# Altium PCB 2440PCBV8.PcbDoc (part 1 of 4) (continued)
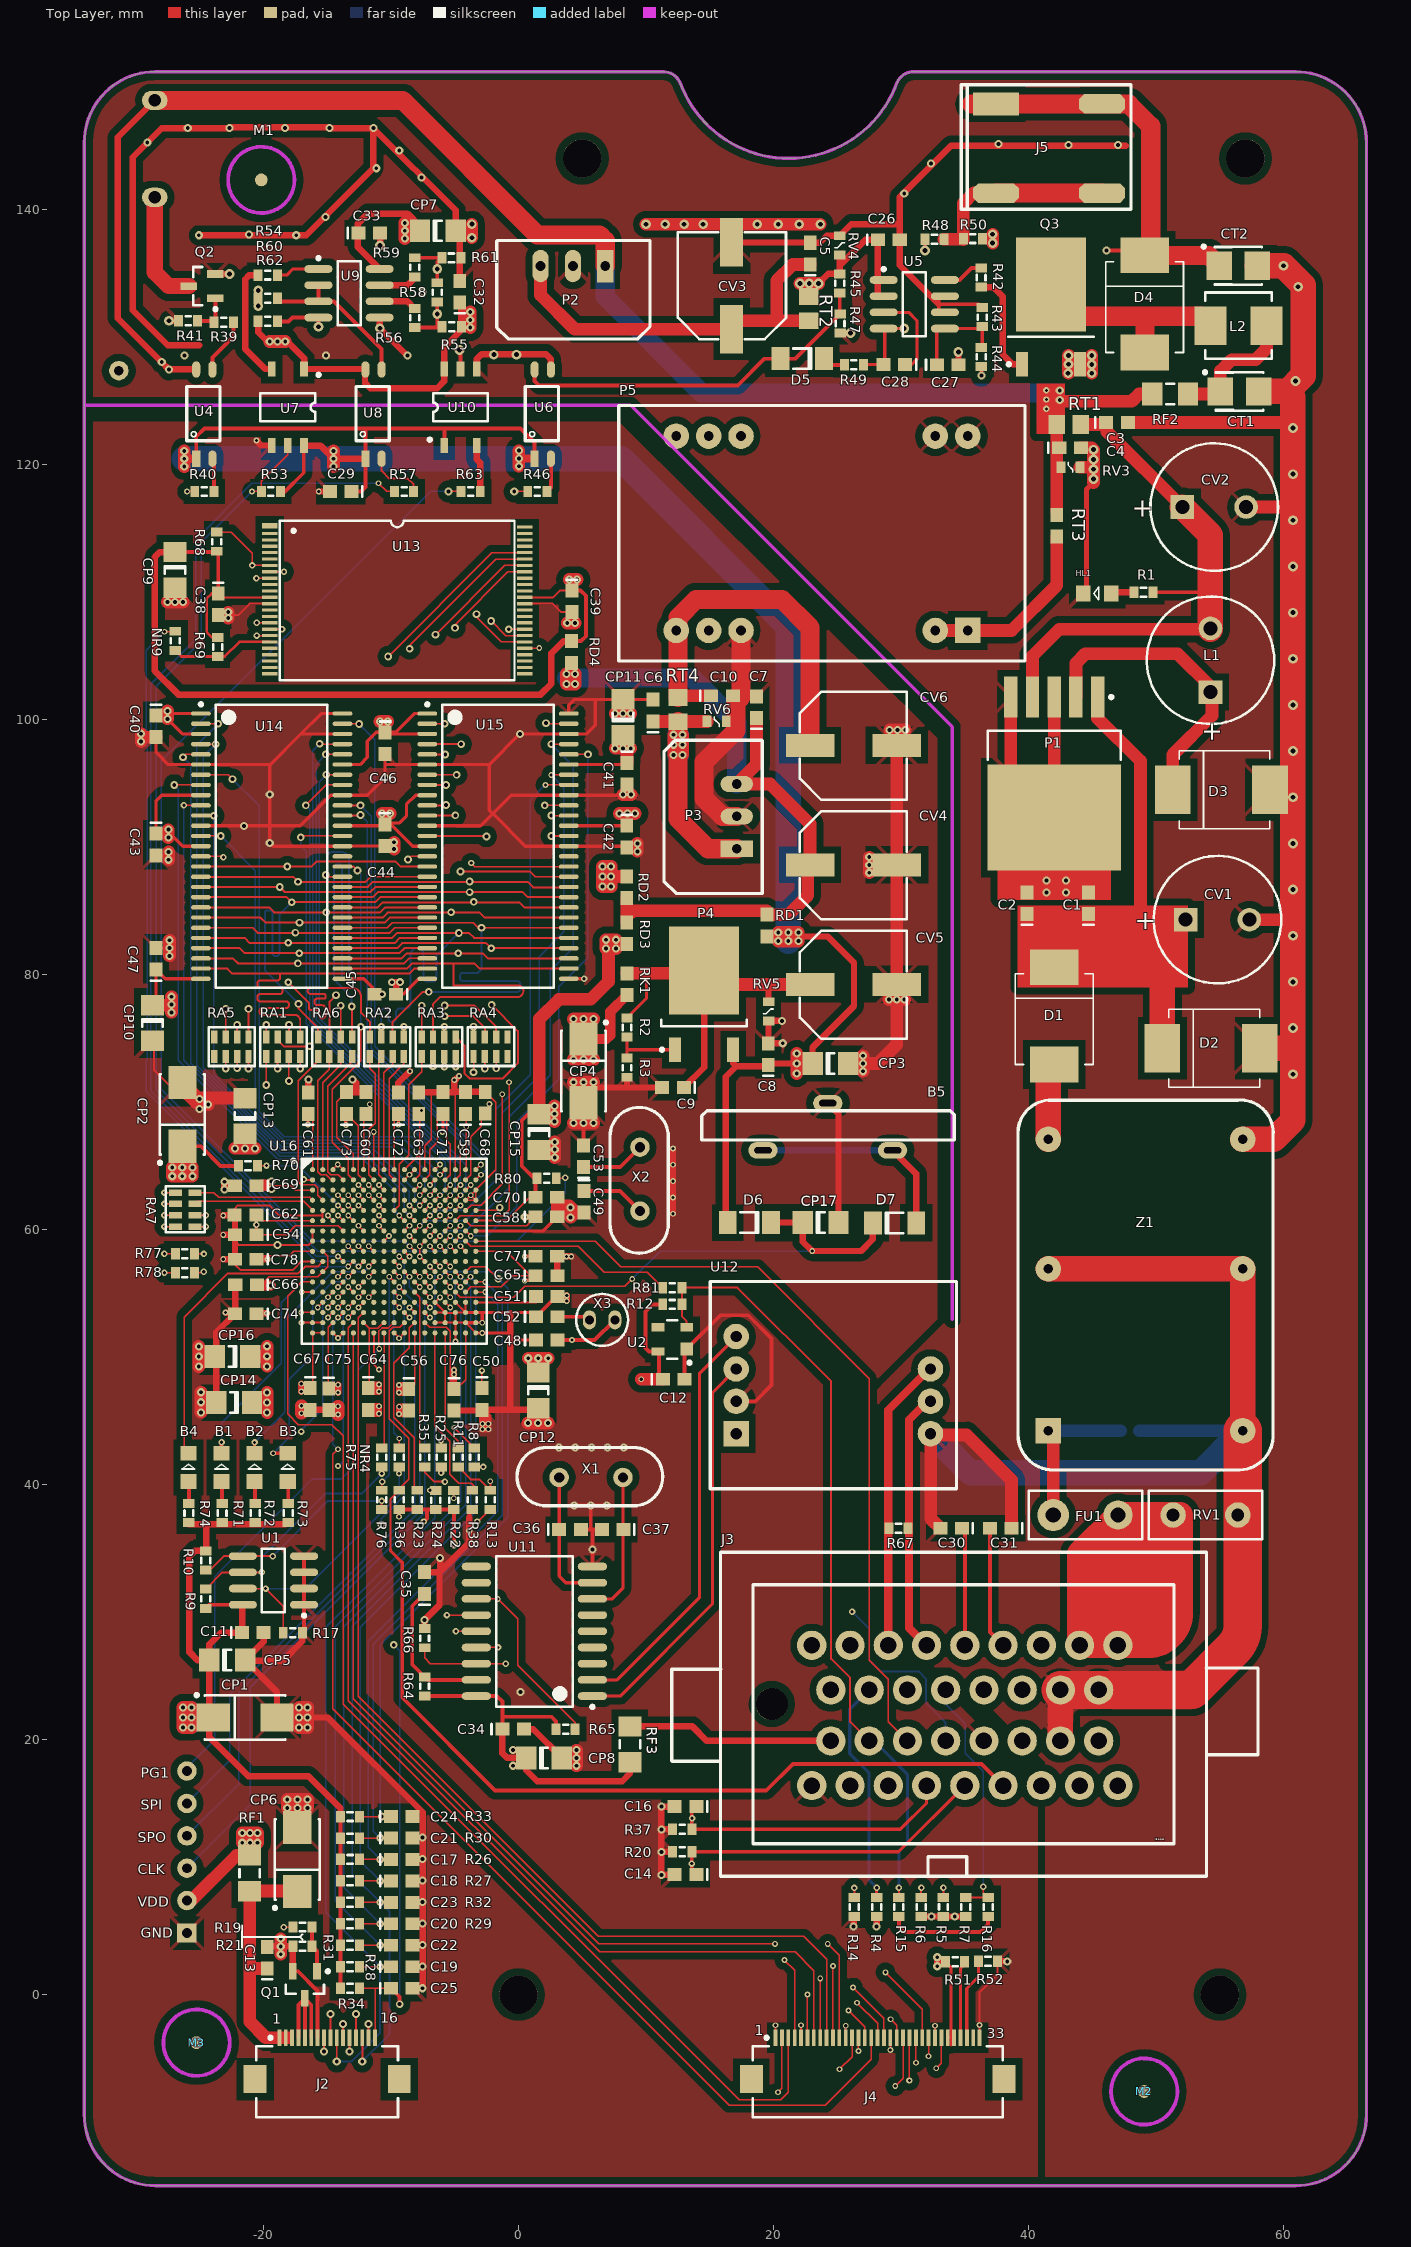
[diagram p0: Top Layer view]
## Components (designator, comment, footprint, x,y, rotation, side; value= is the part's Value field where it differs from the comment) (continued)
CP9 "10uF/16V" 3216[1206] -26.949,111.735 r270 top
CP10 "10uF/16V" 3216[1206] -28.702,76.2 r270 top
CP11 "10uF/16V" 3216[1206] 8.204,100.178 r90 top
CP12 "10uF/16V" 3216[1206] 1.549,47.396 r270 top
CP13 "10uF/16V" 3216[1206] -21.436,68.91 r90 top
CP14 "10uF/16V" 3216[1206] -22.301,46.431 r180 top
CP15 "10uF/16V" 3216[1206] 1.626,67.64 r270 top
CP16 "10uF/16V" 3216[1206] -22.428,50.038 r180 top
CP17 "10uF/16V" 3216[1206] 23.698,60.554 r0 top
CT1 "2.2uF/50V" 3528 56.54,125.73 r0 top
CT2 "2.2uF/50V" 3528 56.439,135.585 r0 top
CV1 "220uF/50V" CAPPR5-10x20/H1.1 54.813,84.303 r0 top
CV2 "470uF/35V" CAPPR5-10x20/H1.1 54.559,116.662 r0 top
CV3 "220uF/16V" CAP8484X100M 16.713,134.01 r90 top
CV4 "220uF/16V" CAP8484X100M 26.264,88.595 r0 top
CV5 "220uF/16V" CAP8484X100M 26.264,79.223 r0 top
CV6 "220uF/16V" CAP8484X100M 26.264,97.968 r0 top
D1 "SK56" DIODE_SMC 42.012,76.759 r270 top
D2 "SMCJC33A" DIODE_SMC 54.305,74.219 r0 top
D3 "SK56" DIODE_SMC 55.118,94.488 r0 top
D4 "SK56" DIODE_SMC 49.098,132.588 r270 top
D5 "IN4148" SOD-80/MLL34 22.25,128.295 r0 top
D6 "IN4148" SOD-80/MLL34 18.11,60.554 r0 top
D7 "IN4148" SOD-80/MLL34 29.489,60.528 r180 top
FU1 "T60-110" FUSE-5x1.2 44.475,37.617 r180 top
HL1 "RED" LED0805 45.381,109.887 r180 top
J2 "FFC16" FFC/SM0.5-2H16 -15,-5 r0 top locked
J3 "2-6447232-3" 2-6447232-3 47,16.4 r0 top locked
J4 "FFC33" FFC/SM0.5-2H33 28.16,-5 r0 top locked
J5 "JST" JST 41.605,144.78 r90 top
L1 "B82477P4333M000" CAPPR5-10x20/H1.1 54.264,104.648 r90 top
L2 "VLCF5028T-470MR49-2" INDP5050X28N 56.464,130.886 r180 top
M1 "MARK" Mark -20.168,142.316 r0 top
M2 "MARK" Mark 49.073,-7.589 r0 top
M3 "MARK" Mark -25.248,-3.759 r0 top
NR4 "22R" 0603R -9.361,42.139 r90 top
NR9 "22R" 0603R -26.911,106.172 r90 top
P1 "LM2596SX-12" TS5B_N 42.012,95.758 r270 top
P2 "K7805M-1000" DIP(3)W 4.267,135.56 r270 top
P3 "K7803M-1000" DIP(3)W 17.12,92.405 r180 top
P4 "LM1117IDT-ADJ" TD03B_N 14.554,78.461 r90 top
P5 "WRF1205P-6W" DIP-7(24)W 23.8,114.605 r180 top
Q1 "RJK005N03" SOT23_N -16.75,0.787 r270 top
Q2 "RJK005N03" SOT23_N -24.816,133.985 r180 top
Q3 "STU3030" TO-252AA_N 41.758,132.359 r90 top
R1 "10K" 0603R 49.01,109.982 r180 top
R2 "510R" 0603R 8.509,75.846 r270 top
R3 "22R" 0603R 8.509,72.695 r270 top
R4 "10K" 0603R 28.083,6.883 r90 top
R5 "10K" 0603R 33.328,6.883 r90 top
R6 "10K" 0603R 31.58,6.883 r90 top
R7 "10K" 0603R 35.076,6.883 r90 top
R8 "22R" 0603R -3.454,42.139 r270 top
R9 "1K" 0603R -24.538,31.052 r90 top
R10 "1K" 0603R -24.538,34.049 r270 top
R11 "22R" 0603R -4.724,42.139 r270 top
R12 "10K" 0603R 12.065,54.127 r0 top
R13 "1.5K" 0603R -2.21,38.811 r270 top
R14 "300K" 0603R 26.335,6.883 r270 top
R15 "0R" 0603R 29.832,6.883 r270 top
R16 "510R" 0603R 36.824,6.883 r270 top
R17 "10K" 0603R -17.7,28.399 r180 top
R19 "22R" 0603R -16.942,5.309 r180 top
R20 "15K" 0603R 12.841,11.201 r180 top
R21 "10K" 0603R -16.942,3.81 r180 top
R22 "10K" 0603R -5.072,38.786 r90 top
R23 "10K" 0603R -7.933,38.811 r90 top
R24 "10K" 0603R -6.502,38.786 r90 top
R25 "22R" 0603R -6.071,42.139 r270 top
R26 "10K" 0603R -13.208,10.604 r0 top
R27 "10K" 0603R -13.208,8.922 r0 top
R28 "10K" 0603R -13.208,2.191 r0 top
R29 "10K" 0603R -13.208,5.556 r0 top
R30 "10K" 0603R -13.208,12.287 r0 top
R31 "10K" 0603R -13.208,3.873 r0 top
R32 "10K" 0603R -13.208,7.239 r0 top
R33 "10K" 0603R -13.208,13.97 r0 top
R34 "10K" 0603R -13.208,0.508 r0 top
R35 "22R" 0603R -7.348,42.139 r270 top
R36 "10K" 0603R -9.364,38.811 r90 top
R37 "15K" 0603R 12.841,12.984 r180 top
R38 "10K" 0603R -3.641,38.811 r270 top
R39 "22R" 0603R -23.114,131.166 r0 top
R40 "510R" 0603R -24.637,117.881 r180 top
R41 "10K" 0603R -25.908,131.272 r180 top
R42 "22R" 0603R 36.271,134.657 r90 top
R43 "15K" 0603R 36.373,131.559 r270 top
R44 "300K" 0603R 36.297,128.434 r90 top
R45 "1.5K" 0603R 25.191,134.203 r270 top
R46 "510R" 0603R 1.474,117.881 r180 top
R47 "10K" 0603R 25.217,131.052 r90 top
R48 "20K" 0603R 32.626,137.668 r180 top
R49 "300K" 0603R 26.302,127.813 r180 top
R50 "2R" 0603R 35.636,137.719 r0 top
R51 "0R" 0603R 34.239,2.591 r0 top
R52 "0R" 0603R 36.824,2.616 r0 top
R53 "510R" 0603R -19.415,117.881 r180 top
R54 "1K" 0603R -19.663,134.854 r180 top
R55 "1K" 0603R -5.232,130.81 r0 top
R56 "22R" 0603R -8.125,131.498 r90 top
R57 "510R" 0603R -8.97,117.881 r180 top
R58 "120R" 0603R -6.375,133.502 r90 top
R59 "22R" 0603R -8.125,135.461 r270 top
R60 "10K" 0603R -19.663,133.038 r180 top
R61 "1K" 0603R -5.258,136.195 r0 top
R62 "1K" 0603R -19.663,131.222 r0 top
R63 "510R" 0603R -3.748,117.881 r180 top
R64 "10K" 0603R -7.366,24.181 r90 top
R65 "10K" 0603R 3.697,20.83 r0 top
R66 "10K" 0603R -7.366,27.957 r90 top
R67 "120R" 0603R 29.794,36.578 r0 top
R68 "10K" 0603R -23.673,113.944 r90 top
R69 "10K" 0603R -23.597,105.689 r270 top
R70 "10K" 0603R -21.209,64.999 r0 top
R71 "1K" 0603R -23.246,37.77 r90 top
R72 "1K" 0603R -20.653,37.77 r270 top
R73 "1K" 0603R -18.059,37.77 r270 top
R74 "1K" 0603R -25.84,37.77 r270 top
R75 "22R" 0603R -10.719,42.139 r90 top
R76 "22R" 0603R -10.731,38.811 r90 top
R77 "22R" 0603R -26.162,58.11 r0 top
R78 "22R" 0603R -26.162,56.624 r0 top
R80 "1K" 0603R 2.21,64.033 r0 top
R81 "22R" 0603R 12.065,55.448 r180 top
RA1 "22R" R-AR4 -18.447,74.352 r180 top
RA2 "22R" R-AR4 -10.319,74.352 r180 top
RA3 "22R" R-AR4 -6.255,74.352 r180 top
RA4 "22R" R-AR4 -2.191,74.352 r180 top
RA5 "22R" R-AR4 -22.511,74.352 r180 top
RA6 "22R" R-AR4 -14.383,74.352 r180 top
RA7 "22R" R-AR4 -26.137,61.57 r270 top
RD1 "0R" 0603RT 19.482,83.845 r270 top
RD2 "0R" 0603RT 8.49,86.843 r90 top
RD3 "0R" 0603RT 8.49,83.248 r270 top
RD4 "0R" 0603RT 4.166,105.295 r90 top
RF1 "NanoSMDC020F" 1206F -21.077,9.525 r90 top
RF2 "NanoSMDC035F" 1206F 51.105,125.527 r0 top
RF3 "NanoSMDC035F" 1206F 8.738,19.634 r270 top
RK1 "0R" 0603RT 8.507,79.248 r270 top
RT1 "0R" 2012[0805] 43.156,123.139 r180 top
RT2 "0R" 2012[0805] 22.76,132.222 r90 top
RT3 "0R" 0603RT 42.206,115.185 r270 top
RT4 "0R" 2012[0805] 12.522,100.778 r270 top
RV1 "MYG-07D390K" VR-5x1.0 53.873,37.617 r180 top
RV2 "39V(35 to 43)" 0603RV 47.955,44.221 r180 bottom
RV3 "22V(19.8 to 24.2)" 0603RV 43.282,119.786 r180 top
RV4 "8(6.4 to 9.6)" 0603RV 25.193,137.187 r270 top
RV5 "8(6.4 to 9.6)" 0603RV 19.609,77.114 r90 top
RV6 "8(6.4 to 9.6)" 0603RV 15.545,99.847 r180 top
U1 "24C64CT/SN" SOIC-SN8_N -19.218,32.487 r180 top
U2 "MAX811-EUS-T" SOT143_N 12.065,51.384 r180 top
U3 "SPEAKER" SPEAKER -28.524,144.755 r270 bottom locked
U4 "TLP281" SSOP4_N -24.638,123.952 r90 top
U5 "BIT3251" SOIC-SN8_N 31.039,132.563 r0 top
U6 "TLP281" SSOP4_N 1.905,123.952 r90 top
U7 "HCPL-M601" SOP5(6) -18.085,124.487 r180 top
U8 "TLP281" SSOP4_N -11.367,123.952 r90 top
U9 "MAX485" NSO8_N -13.284,133.426 r0 top
U10 "HCPL-M601" SOP5(6) -4.547,124.487 r0 top
U11 "MCP2515-I/SO" SOIC-SO18_N 1.245,28.499 r180 top
U12 "CTM1050T" DIP-7(8)W 24.689,47.803 r0 top
U13 "HY27UF082G2B" TSOP48 -9.513,109.335 r0 top
U14 "K4S561632C-TC75 (32MB)" TSOP80P1180X120-54N -19.355,90.068 r0 top
U15 "K4S561632C-TC75 (32MB)" TSOP80P1180X120-54N -1.6,90.068 r0 top
U16 "S3C2440X" BGA289 -9.748,58.299 r0 top
X1 "16M" OSC2PR-1 5.69,40.564 r180 top
X2 "12M" OSC2PR-1 9.525,63.957 r270 top
X3 "32.768kHz" XTAL-B 6.579,52.908 r0 top
Z1 "CXDC2-3-100" DIP-6(20)W 49.174,55.651 r0 top

## Footprints (in the part's own frame and the unit in brackets; to place one, negate y for a bottom-side part, rotate by r counter-clockwise, add the part's x,y. Pads: shape width x height; smd on the part's side, far side on the other; paste and mask are expansions set on the pad)
2-6447232-3 [mm]
  round 2.3 hole 1.3: 1(0,0) 2(-3,0) 3(-6,0) 4(-9,0) 5(-12,0) 6(-15,0) 7(-18,0) 8(-21,0) 9(-24,0) 10(-1.5,3.5) 11(-4.5,3.5) 12(-7.5,3.5) 13(-10.5,3.5) 14(-13.5,3.5) 15(-16.5,3.5) 16(-19.5,3.5) 17(-22.5,3.5) 18(-1.5,7.5) 19(-4.5,7.5) 20(-7.5,7.5) 21(-10.5,7.5) 22(-13.5,7.5) 23(-16.5,7.5) 24(-19.5,7.5) 25(-22.5,7.5) 26(0,11) 27(-3,11) 28(-6,11) 29(-9,11) 30(-12,11) 31(-15,11) 32(-18,11) 33(-21,11) 34(-24,11)
  round 2.5 hole 2.5 unplated: ""(-27.135,6.393)
  silkscreen extent -34.98,-7.11 11,18.29, body extent -34.97,-7.14 10.99,18.36, height 25
0603R [mm]
  rect 0.7x0.9 smd: 1(-0.75,0) 2(0.75,0)
  silkscreen extent -0.2,-0.35 0.2,0.35, body extent -0.77,-0.42 0.78,0.43, height 0.45
0603RT [mm]
  rect 1.1x1 smd: 1(-0.85,0) 2(0.85,0)
  body extent -1.3,-0.5 1.3,0.5, height 0.53
0603RV [mm]
  rect 0.7x0.9 smd: 1(-0.75,0) 2(0.75,0)
  silkscreen extent -0.19,-0.37 0.18,0.4, body extent -0.77,-0.42 0.78,0.43, height 0.45
1206F [mm]
  rect 1.6x1.8 smd: 1(-1.4,0) 2(1.4,0)
  silkscreen extent -0.3,-0.8 0.3,0.8, body extent -2.12,-0.9 2.08,0.9, height 0.63
1608[0603] [mm]
  rect 1.1x1 smd: 1(-0.85,0) 2(0.85,0)
  silkscreen extent -1.7,-0.4 -1.7,0.4, body extent -1.3,-0.5 1.3,0.5, height 0.89
2012[0805] [mm]
  rect 1.3x1.5 smd: 1(-0.95,0) 2(0.95,0)
  body extent -1.51,-0.7 1.49,0.7, height 0.53
3216[1206] [mm]
  rect 1.6x1.8 smd: 1(-1.4,0) 2(1.4,0)
  silkscreen extent -0.3,-0.8 0.3,0.8, body extent -2.1,-0.9 2.1,0.9, height 0.95
3528 [mm]
  rect 2x2.2 smd: 1(-1.5,0) 2(1.5,0)
  silkscreen extent -2.82,-1.5 1.85,1.62, body extent -1.79,-1.31 1.9,1.51, height 2.74
6032 [mm]
  rect 2.6x2.2 smd: 1(-2.5,0) 2(2.5,0)
  silkscreen extent -3.92,-1.75 3.15,1.87, body extent -3.13,-1.56 3.05,1.65, height 2.22
BGA289 [mm]
  round 0.4 smd: A1(-6.4,6.4) A2(-5.6,6.4) A3(-4.8,6.4) A4(-4,6.4) A5(-3.2,6.4) A6(-2.4,6.4) A7(-1.6,6.4) A8(-0.8,6.4) A9(0,6.4) A10(0.8,6.4) A11(1.6,6.4) A12(2.4,6.4) A13(3.2,6.4) A14(4,6.4) A15(4.8,6.4) A16(5.6,6.4) A17(6.4,6.4) B1(-6.4,5.6) B2(-5.6,5.6) B3(-4.8,5.6) B4(-4,5.6) B5(-3.2,5.6) B6(-2.4,5.6) B7(-1.6,5.6) B8(-0.8,5.6) B9(0,5.6) B10(0.8,5.6) B11(1.6,5.6) B12(2.4,5.6) B13(3.2,5.6) B14(4,5.6) B15(4.8,5.6) B16(5.6,5.6) B17(6.4,5.6) C1(-6.4,4.8) C2(-5.6,4.8) C3(-4.8,4.8) C4(-4,4.8) C5(-3.2,4.8) C6(-2.4,4.8) C7(-1.6,4.8) C8(-0.8,4.8) C9(0,4.8) C10(0.8,4.8) C11(1.6,4.8) C12(2.4,4.8) C13(3.2,4.8) C14(4,4.8) C15(4.8,4.8) C16(5.6,4.8) C17(6.4,4.8) D1(-6.4,4) D2(-5.6,4) D3(-4.8,4) D4(-4,4) D5(-3.2,4) D6(-2.4,4) D7(-1.6,4) D8(-0.8,4) D9(0,4) D10(0.8,4) D11(1.6,4) D12(2.4,4) D13(3.2,4) D14(4,4) D15(4.8,4) D16(5.6,4) D17(6.4,4) E1(-6.4,3.2) E2(-5.6,3.2) E3(-4.8,3.2) E4(-4,3.2) E5(-3.2,3.2) E6(-2.4,3.2) E7(-1.6,3.2) E8(-0.8,3.2) E9(0,3.2) E10(0.8,3.2) E11(1.6,3.2) E12(2.4,3.2) E13(3.2,3.2) E14(4,3.2) E15(4.8,3.2) E16(5.6,3.2) E17(6.4,3.2) F1(-6.4,2.4) F2(-5.6,2.4) F3(-4.8,2.4) F4(-4,2.4) F5(-3.2,2.4) F6(-2.4,2.4) F7(-1.6,2.4) F8(-0.8,2.4) F9(0,2.4) F10(0.8,2.4) F11(1.6,2.4) F12(2.4,2.4) F13(3.2,2.4) F14(4,2.4) F15(4.8,2.4) F16(5.6,2.4) F17(6.4,2.4) G1(-6.4,1.6) G2(-5.6,1.6) G3(-4.8,1.6) G4(-4,1.6) G5(-3.2,1.6) G6(-2.4,1.6) G7(-1.6,1.6) G8(-0.8,1.6) G9(0,1.6) G10(0.8,1.6) G11(1.6,1.6) G12(2.4,1.6) G13(3.2,1.6) G14(4,1.6) G15(4.8,1.6) G16(5.6,1.6) G17(6.4,1.6) H1(-6.4,0.8) H2(-5.6,0.8) H3(-4.8,0.8) H4(-4,0.8) H5(-3.2,0.8) H6(-2.4,0.8) H7(-1.6,0.8) H8(-0.8,0.8) H9(0,0.8) H10(0.8,0.8) H11(1.6,0.8) H12(2.4,0.8) H13(3.2,0.8) H14(4,0.8) H15(4.8,0.8) H16(5.6,0.8) H17(6.4,0.8) J1(-6.4,0) J2(-5.6,0) J3(-4.8,0) J4(-4,0) J5(-3.2,0) J6(-2.4,0) J7(-1.6,0) J8(-0.8,0) J9(0,0) J10(0.8,0) J11(1.6,0) J12(2.4,0) J13(3.2,0) J14(4,0) J15(4.8,0) J16(5.6,0) J17(6.4,0) K1(-6.4,-0.8) K2(-5.6,-0.8) K3(-4.8,-0.8) K4(-4,-0.8) K5(-3.2,-0.8) K6(-2.4,-0.8) K7(-1.6,-0.8) K8(-0.8,-0.8) K9(0,-0.8) K10(0.8,-0.8) K11(1.6,-0.8) K12(2.4,-0.8) K13(3.2,-0.8) K14(4,-0.8) K15(4.8,-0.8) K16(5.6,-0.8) K17(6.4,-0.8) L1(-6.4,-1.6) L2(-5.6,-1.6) L3(-4.8,-1.6) L4(-4,-1.6) L5(-3.2,-1.6) L6(-2.4,-1.6) L7(-1.6,-1.6) L8(-0.8,-1.6) L9(0,-1.6) L10(0.8,-1.6) L11(1.6,-1.6) L12(2.4,-1.6) L13(3.2,-1.6) L14(4,-1.6) L15(4.8,-1.6) L16(5.6,-1.6) L17(6.4,-1.6) M1(-6.4,-2.4) M2(-5.6,-2.4) M3(-4.8,-2.4) M4(-4,-2.4) M5(-3.2,-2.4) M6(-2.4,-2.4) M7(-1.6,-2.4) M8(-0.8,-2.4) M9(0,-2.4) M10(0.8,-2.4) M11(1.6,-2.4) M12(2.4,-2.4) M13(3.2,-2.4) M14(4,-2.4) M15(4.8,-2.4) M16(5.6,-2.4) M17(6.4,-2.4) N1(-6.4,-3.2) N2(-5.6,-3.2) N3(-4.8,-3.2) N4(-4,-3.2) N5(-3.2,-3.2) N6(-2.4,-3.2) N7(-1.6,-3.2) N8(-0.8,-3.2) N9(0,-3.2) N10(0.8,-3.2) N11(1.6,-3.2) N12(2.4,-3.2) N13(3.2,-3.2) N14(4,-3.2) N15(4.8,-3.2) N16(5.6,-3.2) N17(6.4,-3.2) P1(-6.4,-4) P2(-5.6,-4) P3(-4.8,-4) P4(-4,-4) P5(-3.2,-4) P6(-2.4,-4) P7(-1.6,-4) P8(-0.8,-4) P9(0,-4) P10(0.8,-4) P11(1.6,-4) P12(2.4,-4) P13(3.2,-4) P14(4,-4) P15(4.8,-4) P16(5.6,-4) P17(6.4,-4) R1(-6.4,-4.8) R2(-5.6,-4.8) R3(-4.8,-4.8) R4(-4,-4.8) R5(-3.2,-4.8) R6(-2.4,-4.8) R7(-1.6,-4.8) R8(-0.8,-4.8) R9(0,-4.8) R10(0.8,-4.8) R11(1.6,-4.8) R12(2.4,-4.8) R13(3.2,-4.8) R14(4,-4.8) R15(4.8,-4.8) R16(5.6,-4.8) R17(6.4,-4.8) T1(-6.4,-5.6) T2(-5.6,-5.6) T3(-4.8,-5.6) T4(-4,-5.6) T5(-3.2,-5.6) T6(-2.4,-5.6) T7(-1.6,-5.6) T8(-0.8,-5.6) T9(0,-5.6) T10(0.8,-5.6) T11(1.6,-5.6) T12(2.4,-5.6) T13(3.2,-5.6) T14(4,-5.6) T15(4.8,-5.6) T16(5.6,-5.6) T17(6.4,-5.6) U1(-6.4,-6.4) U2(-5.6,-6.4) U3(-4.8,-6.4) U4(-4,-6.4) U5(-3.2,-6.4) U6(-2.4,-6.4) U7(-1.6,-6.4) U8(-0.8,-6.4) U9(0,-6.4) U10(0.8,-6.4) U11(1.6,-6.4) U12(2.4,-6.4) U13(3.2,-6.4) U14(4,-6.4) U15(4.8,-6.4) U16(5.6,-6.4) U17(6.4,-6.4)
  silkscreen extent -8.02,-7.25 7.25,7.25, body extent -7.25,-7.25 7.25,7.25, height 1.22
BR2032-1GV [mm] "CR2032-1"
  rect 1.52x1.524 smd far side: 1(0,-1.905) ""(5.08,5.588) ""(10.16,-1.905)
  oval 2.3x1.3 hole 0.5 slot 1.35 at 0 deg: 1(0,0) 2(5.08,3.7) 3(10.16,0)
  silkscreen extent -4.8,0.8 14.99,3.1, body extent -4.93,-0.1 15.09,3.71, height 21.51
CAP8484X100M [mm]
  rect 3.8x1.8 smd: 1(-3.4,0) 2(3.4,0)
  silkscreen extent -4.19,-4.26 4.19,4.22, body extent -4.55,-4.15 4.45,4.15, height 6.2
CAPPR5-10x20/H1.1 [mm] "Capacitor, Electrolytic, Radial; Body 10 x 20 mm (Dia.xH typ); P"
  rect 1.85x1.85 hole 1.1: 1(-2.5,0)
  round 1.85 hole 1.1: 2(2.5,0)
  silkscreen extent -5,-5 5,5
DIODE_SMC [mil]
  rect 110x150 smd: 1(150,0) 2(-150,0)
  silkscreen extent -130,-120 150,120, body extent -152,-124 168,124, height 50
DIP(3)W [mil]
  rect 100x50 hole 30: 1(0,100)
  oval 100x50 hole 30: 2(0,0) 3(0,-100)
  silkscreen extent -79,-235 225,238, body extent -80,-234 226,238, height 394
DIP-6(20)W [mm]
  rect 2x2 hole 0.762: 1(-7.62,-11.43)
  round 2 hole 0.762: 2(-7.62,1.27) 3(-7.62,11.43) 4(7.62,-11.43) 5(7.62,1.27) 6(7.62,11.43)
  silkscreen extent -10.01,-14.5 10.01,14.51, body extent -10,-14.54 10.12,14.48, height 10
DIP-7(8)W [mm]
  rect 2x2 hole 0.889: 1(-7.62,-3.81)
  round 2 hole 0.889: 2(-7.62,-1.27) 3(-7.62,1.27) 4(-7.62,3.81) 6(7.62,1.27) 7(7.62,-1.27) 8(7.62,-3.81)
  silkscreen extent -9.65,-8.13 9.65,8.13, body extent -9.64,-8.12 9.64,8.15, height 7
DIP-7(24)W [mm]
  round 2 hole 0.762: 2(-11.43,-7.62) 3(-8.89,-7.62) 11(11.43,-7.62) 14(11.43,7.62) 16(6.35,7.62) 16(6.35,-7.62) 16(8.89,7.62) 16(8.89,-7.62) 22(-8.89,7.62)
  rect 2x2 hole 0.762: 23(-11.43,7.62)
  silkscreen extent -15.93,-10.02 15.93,10.02, body extent -15.97,-10.03 15.94,10.05, height 10
FFC/SM0.5-2H16 [mm]
  rect 0.3x1.3 smd: 1(-3.75,1.625) 2(-3.25,1.625) 3(-2.75,1.625) 4(-2.25,1.625) 5(-1.75,1.625) 6(-1.25,1.625) 7(-0.75,1.625) 8(-0.25,1.625) 9(0.25,1.625) 10(0.75,1.625) 11(1.25,1.625) 12(1.75,1.625) 13(2.25,1.625) 14(2.75,1.625) 15(3.25,1.625) 16(3.75,1.625)
  rect 1.8x2.2 smd: 17(-5.65,-1.625) 18(5.65,-1.625)
  silkscreen extent -5.55,-4.62 5.55,1.75, body extent -5.55,-4.62 5.55,0.97, height 2
FFC/SM0.5-2H33 [mm]
  rect 0.3x1.3 smd: 1(-8,1.625) 2(-7.5,1.625) 3(-7,1.625) 4(-6.5,1.625) 5(-6,1.625) 6(-5.5,1.625) 7(-5,1.625) 8(-4.5,1.625) 9(-4,1.625) 10(-3.5,1.625) 11(-3,1.625) 12(-2.5,1.625) 13(-2,1.625) 14(-1.5,1.625) 15(-1,1.625) 16(-0.5,1.625) 17(0,1.625) 18(0.5,1.625) 19(1,1.625) 20(1.5,1.625) 21(2,1.625) 22(2.5,1.625) 23(3,1.625) 24(3.5,1.625) 25(4,1.625) 26(4.5,1.625) 27(5,1.625) 28(5.5,1.625) 29(6,1.625) 30(6.5,1.625) 31(7,1.625) 32(7.5,1.625) 33(8,1.625)
  rect 1.8x2.2 smd: 34(-9.9,-1.625) 35(9.9,-1.625)
  silkscreen extent -9.8,-4.63 9.8,1.75, body extent -9.8,-4.62 9.8,0.97, height 2
FUSE-5x1.2 [mm]
  round 2.3 hole 1.2: 1(-2.54,0)
  round 2.5 hole 1.2: 2(2.54,0)
  silkscreen extent -4.44,-1.91 4.44,1.91
INDP5050X28N [mm]
  rect 2.5x3 smd: 1(-2.2,0) 2(2.2,0)
  silkscreen extent -2.6,-2.6 2.6,2.6, body extent -1.56,-1.53 1.51,1.54, height 2
JST [mm]
  oct 1.524x3.6 smd: 1(3.5,-4.161) 2(-3.5,-4.161) 2(-3.5,4.161)
  rect 1.8x3.6 smd: 1(3.5,4.161)
  silkscreen extent -4.77,-6.43 5,6.89, body extent -4.84,-6.41 4.99,6.95, height 1.27
LED0805 [mm]
  rect 1.143x1.27 smd: 1(-1.105,0) 2(1.105,0)
  silkscreen extent -0.13,-0.51 0.25,0.51, body extent -1.03,-0.46 1.03,0.45, height 0.85
Mark [mm]
  round 1 smd paste+0 mask+2: 1(0,0)
  Top Layer keep-out circle w0.3: c0,0 r2.6
NSO8_N [mm]
  oval 2.2x0.6 smd: 1(-2.4,1.905) 2(-2.4,0.635) 3(-2.4,-0.635) 4(-2.4,-1.905) 5(2.4,-1.905) 6(2.4,-0.635) 7(2.4,0.635) 8(2.4,1.905)
  silkscreen extent -2.52,-2.5 0.9,2.88, body extent -2,-2.5 2,2.5, height 1.75
OSC2PR-1 [mil]
  round 60 hole 32: 1(-98.5,0) 2(98.5,0)
  silkscreen extent -222,-93 228,88, body extent -220,-94 227,89, height 138
R-AR4 [mil]
  rect 19.68x40 smd: 1(-52.5,-30) 2(-17.5,-30) 3(17.5,-30) 4(52.5,-30) 5(52.5,30) 6(17.5,30) 7(-17.5,30) 8(-52.5,30)
  silkscreen extent -73,-60 71,60, body extent -63,-33 63,30, height 22
SOD-80/MLL34 [mm]
  rect 1.4x1.8 smd: 1(-1.7,0) 2(1.7,0)
  silkscreen extent -0.7,-0.8 0.7,0.8, body extent -1.66,-0.77 1.69,0.77, height 0.77
SOIC-SN8_N [mm]
  oval 2.2x0.6 smd: 1(-2.4,1.905) 2(-2.4,0.635) 3(-2.4,-0.635) 4(-2.4,-1.905) 5(2.4,-1.905) 6(2.4,-0.635) 7(2.4,0.635) 8(2.4,1.905)
  silkscreen extent -2.53,-2.5 0.9,2.88, body extent -3,-2.45 3,2.45, height 1.7
SOIC-SO18_N [mm]
  oval 2.3x0.6 smd: 1(-4.55,5.08) 2(-4.55,3.81) 3(-4.55,2.54) 4(-4.55,1.27) 5(-4.55,0) 6(-4.55,-1.27) 7(-4.55,-2.54) 8(-4.55,-3.81) 9(-4.55,-5.08) 10(4.55,-5.08) 11(4.55,-3.81) 12(4.55,-2.54) 13(4.55,-1.27) 14(4.55,0) 15(4.55,1.27) 16(4.55,2.54) 17(4.55,3.81) 18(4.55,5.08)
  silkscreen extent -4.67,-5.9 3,6.05, body extent -3.8,-5.95 3.8,5.95, height 2.65
SOP5(6) [mm]
  rect 0.6x1.2 smd: 1(-1.27,-3) 3(1.27,-3) 4(1.27,3) 5(0,3) 6(-1.27,3)
  silkscreen extent -2.54,-2.66 2.15,1.1
SOT23_N [mm] "SOT23, 3-Leads, Body 2.9x1.3mm, Pitch 0.95mm, Lead Span 2.3mm, IPC Medium Density"
  rect 1.3x0.6 smd: 1(-1.05,0.95) 2(-1.05,-0.95) 3(1.05,0)
  silkscreen extent -1.17,-1.5 0.7,1.93, body extent -0.7,-1.5 0.7,1.5, height 1.1
SOT143_N [mm]
  rect 1x1.05 smd: 1(-1.125,0.75)
  rect 1x0.65 smd: 2(-1.125,-0.95) 3(1.125,-0.95) 4(1.125,0.95)
  silkscreen extent -1.48,-1.5 0.4,1.95, body extent -0.7,-1.52 0.7,1.52, height 1.2
SPEAKER [mm]
  oval 1.5x2 hole 1: 1(-3.8,0) 2(3.8,0)
  silkscreen extent -6,-6 6,6
SSOP4_N [mm]
  rect 1.27x0.635 smd: 1(-3.5,0.635)
  oval 1.27x0.635 smd: 2(-3.5,-0.635) 3(3.5,-0.635) 4(3.5,0.635)
  silkscreen extent -2.08,-1.22 2.16,1.38, body extent -3.5,-1.29 3.5,1.41, height 1
TD03B_N [mm]
  rect 1.9x0.95 smd: 1(-4.35,2.28) 3(-4.35,-2.28)
  rect 6.9x5.5 smd: 4(1.85,0)
  silkscreen extent -4.47,-3.35 -2,3.43, body extent -2.5,-3.35 3.7,3.35, height 2.38
TO-252AA_N [mm] "D-PAK, 4-Leads, Body 6.1x6.5mm, Pitch 2.28mm, Lead Span 9.9mm, IPC Medium Density"
  rect 1.9x0.95 smd: 1(-4.5,2.28) 3(-4.5,-2.28)
  rect 7.4x5.5 smd: 4(1.75,0)
  silkscreen extent -4.62,-3.35 -2.35,3.43, body extent -2.25,-3.37 4.1,3.37, height 2.38
TS5B_N [mm]
  rect 3.2x1.05 smd: 1(-6,3.4) 2(-6,1.7) 3(-6,0) 4(-6,-1.7) 5(-6,-3.4)
  rect 8.3x10.45 smd: 6(3.45,0)
  silkscreen extent -6.12,-5.2 -1.1,5.2, body extent -3.35,-5.2 6.05,5.2, height 4.65
TSOP48 [mm]
  rect 1.2x0.45 smd: 1(-10,5.85)
  rect 1.2x0.25 smd: 2(-10,5.25) 3(-10,4.75) 4(-10,4.25) 5(-10,3.75) 6(-10,3.25) 7(-10,2.75) 8(-10,2.25) 9(-10,1.75) 10(-10,1.25) 11(-10,0.75) 12(-10,0.25) 13(-10,-0.25) 14(-10,-0.75) 15(-10,-1.25) 16(-10,-1.75) 17(-10,-2.25) 18(-10,-2.75) 19(-10,-3.25) 20(-10,-3.75) 21(-10,-4.25) 22(-10,-4.75) 23(-10,-5.25) 24(-10,-5.75) 25(10,-5.75) 26(10,-5.25) 27(10,-4.75) 28(10,-4.25) 29(10,-3.75) 30(10,-3.25) 31(10,-2.75) 32(10,-2.25) 33(10,-1.75) 34(10,-1.25) 35(10,-0.75) 36(10,-0.25) 37(10,0.25) 38(10,0.75) 39(10,1.25) 40(10,1.75) 41(10,2.25) 42(10,2.75) 43(10,3.25) 44(10,3.75) 45(10,4.25) 46(10,4.75) 47(10,5.25) 48(10,5.75)
  silkscreen extent -9.2,-6.25 9.2,6.25, body extent -10.08,-6.01 10.02,6.09, height 1.2
TSOP80P1180X120-54N [mm]
  oval 1.55x0.34 smd: 1(-5.55,10.4) 2(-5.55,9.6) 3(-5.55,8.8) 4(-5.55,8) 5(-5.55,7.2) 6(-5.55,6.4) 7(-5.55,5.6) 8(-5.55,4.8) 9(-5.55,4) 10(-5.55,3.2) 11(-5.55,2.4) 12(-5.55,1.6) 13(-5.55,0.8) 14(-5.55,0) 15(-5.55,-0.8) 16(-5.55,-1.6) 17(-5.55,-2.4) 18(-5.55,-3.2) 19(-5.55,-4) 20(-5.55,-4.8) 21(-5.55,-5.6) 22(-5.55,-6.4) 23(-5.55,-7.2) 24(-5.55,-8) 25(-5.55,-8.8) 26(-5.55,-9.6) 27(-5.55,-10.4) 28(5.55,-10.4) 29(5.55,-9.6) 30(5.55,-8.8) 31(5.55,-8) 32(5.55,-7.2) 33(5.55,-6.4) 34(5.55,-5.6) 35(5.55,-4.8) 36(5.55,-4) 37(5.55,-3.2) 38(5.55,-2.4) 39(5.55,-1.6) 40(5.55,-0.8) 41(5.55,0) 42(5.55,0.8) 43(5.55,1.6) 44(5.55,2.4) 45(5.55,3.2) 46(5.55,4) 47(5.55,4.8) 48(5.55,5.6) 49(5.55,6.4) 50(5.55,7.2) 51(5.55,8) 52(5.55,8.8) 53(5.55,9.6) 54(5.55,10.4)
  silkscreen extent -5.67,-11.1 4.37,11.24, body extent -5.86,-11.11 5.9,11.11, height 1.25
VR-5x1.0 [mm]
  round 2 hole 1: 1(-2.54,0) 2(2.54,0)
  silkscreen extent -4.44,-1.91 4.44,1.91
XTAL-B [mm]
  oval 1x1.5 hole 0.7: 1(-1.017,0.012) 2(0.983,0.012)
  silkscreen extent -2.05,-2.02 2.01,2.04, body extent -1.58,-1.59 1.52,1.51, height 8.2

## Part data
B1 B2 B3 B4 HL1: library part LED, "发光"
B5: "电池座"
C1 C2 C3 C4 C5 C6 C7 C8 C9 C10 C11 C12 C13 C14 C16 C17 C18 C19 C20 C21 C22 C23 C24 C25 C26 C27 C28 C29 C30 C31 C32 C33 C34 C35 C36 C37 C38 C39 C40 C41 C42 C43 C44 C45 C46 C47 C48 C49 C50 C51 C52 C53 C54 C56 C58 C59 C60 C61 C62 C63 C64 C65 C66 C67 C68 C69 C70 C71 C72 C73 C74 C75 C76 C77 C78: library part CAP, "电?"
CP1 CP2 CP3 CP4 CP5 CP6 CP7 CP8 CP9 CP10 CP11 CP12 CP13 CP14 CP15 CP16 CP17: library part CAPACITOR, "坦电"
CT1 CT2: library part CAPACITOR, "独石?"
CV1 CV2: library part ELECTRO1, "铝电解电容"
CV3 CV4 CV5 CV6: library part ELECTRO1, "铝电解"
D1 D3: library part "D Schottky", "肖特基?"
D2: library part 30BQ040, "TVS"
D4: library part 10BQ060, "肖特基?"
D5 D6 D7: library part DIODE, "二极"
FU1: library part "Fuse 2", "保?"
J2: library part 16PIN, "接插"
J3: library part 6-174683-5, "接插"
J4: library part "HEADER 33", "接插"
J5: library part CON2, "接插"
L1: library part Inductor, "电感"
L2: library part "Inductor Iron Dot", "电?"
M1 M2 M3: library part D-001-0001, "Mounting Hole, M3 Screw, Plated, Square Pad"
NR4 NR9 R1 R2 R3 R4 R5 R6 R7 R8 R9 R10 R11 R12 R13 R14 R15 R16 R17 R19 R20 R21 R22 R23 R24 R25 R26 R27 R28 R29 R30 R31 R32 R33 R34 R35 R36 R37 R38 R39 R40 R41 R42 R43 R44 R45 R46 R47 R48 R49 R50 R51 R52 R53 R54 R55 R56 R57 R58 R59 R60 R61 R62 R63 R64 R65 R66 R67 R68 R69 R70 R71 R72 R73 R74 R75 R76 R77 R78 R80 R81 RD1 RD2 RD3 RD4 RK1 RT3: library part RES, "电?"
P1 P4: "电源?"
P2 P3: library part LM78M05CT/NOPB, "电源?"
P5: library part PWB2405(M)D-3W, "电源?"
Q1 Q2: library part 2N7002, "NMOS"
Q3: library part BSN254, "NMOS"
RA1 RA2 RA3 RA4 RA5 RA6 RA7: library part RP4R, "阻?"
RF1 RF2 RF3: library part FUSE1, "保?"
RT1 RT2 RT4: library part Res3, "电?"
RV1 RV2 RV3 RV4 RV5 RV6: library part "Res Varistor", "压敏?"
U1: library part 24C02CT/SN, "集成?"
U2 U5 U9 U16: "集成?"
U3: "蜂鸣"
U4 U6 U8: library part Optoisolator1, "光?"
U7 U10: library part Optoisolator2, "光?"
U11: library part MCP2515-E/SO, "集成?"
U12: library part CTM1050, "集成?"
U13: library part K9F2808, "集成?"
U14 U15: library part K4S561632C, "集成?"
X1 X2 X3: library part CRYSTAL, "晶?"
Z1: library part CXDB, "滤波"

## Free pads (board coordinates)
  round 1.524 hole 0.762: 0(-31.344,127.356) 0(-26,7.38) 0(-26,15) 1(-26,12.46) 2(-26,9.92) 3(-26,17.54)
  rect 1.524x1.524 hole 0.762: 0(-26,4.84)
  round 3 hole 3 unplated mask+1.2: 0(0,0) 1(55,0) 2(5,144) 3(57,144)

## Via types
v1: diameter 0.635, hole 0.305, Top Layer to Bottom Layer, tented both sides, 275 vias
v2: diameter 0.457, hole 0.254, Top Layer to Bottom Layer, tented both sides, 233 vias
v3: diameter 0.6, hole 0.3, Top Layer to Bottom Layer, tented both sides, 106 vias
v4: diameter 0.762, hole 0.381, Top Layer to Bottom Layer, tented both sides, 59 vias
v5: diameter 0.508, hole 0.254, Top Layer to Bottom Layer, tented both sides, 59 vias
v6: diameter 0.406, hole 0.254, Top Layer to Bottom Layer, tented both sides, 1 vias

## Nets (pads, with @x,y where several pads share a name; then routed paths per layer and width w, separated by ;. In a path a pad name is that pad's centre, name@x,y a point inside that pad or via, vN(x,y) a via of type N, cw(c..) or ccw(c..) an arc to the next point about the centre after c; other vN are vias at no path point)
ALE: RA7.1 U13.17 | length 50.8
  Top Layer w0.102: v5(-27.762,62.903) RA7.1@-26.899,62.903 ; U13.17@-19.513,107.085 v5(-18.542,107.085)
  SIG1 w0.102: v5(-27.762,62.903) -28.981,64.122 -28.981,95.788 -18.542,106.228 v5(-18.542,107.085)
AMP_2_BOOT: J3.4 R36.2 U16.T10 | length 83.5
  Top Layer w0.102: R36.2@-9.474,39.561 -8.611,40.425 -8.611,43.656 -10.119,45.164 -10.119,52.053 -9.844,52.328 -9.319,52.328 U16.T10@-8.948,52.699
  Top Layer w0.152: -10.036,34.947 -10.036,38.889 R36.2@-9.364,39.561
  Top Layer w0.203: -10.036,34.801 -10.036,34.947
  Top Layer w0.254: -10.036,34.801 -9.119,33.884
  Top Layer w0.305: -9.119,33.884 -9.119,23.292 -1.829,16.002 19.431,16.002 21.514,18.085 36.315,18.085 J3.4@38,16.4
AMP_2_VCC24: FU1.1 J3.26 J3.27 RV1.2 | length 43.6
  Top Layer w2: J3.26@47.041,27.4 49.352,27.4 ccw(c49.352,29.94) 51.892,29.94 51.892,37.643 47.066,37.643 FU1.1@47.041,37.617 ; J3.26@47.041,27.4 FU1.1@47.041,37.617 ; J3.26@47.041,27.4 J3.26@47,27.4 J3.27@44,27.4 44,34.577 FU1.1@47.041,37.617
AMP_20_DP0: C16.1 J3.6 R35.2 R37.1 | length 60
  Top Layer w0.152: R35.2@-7.348,41.389 -7.348,40.989 -6.593,40.234 v5(-5.766,40.234) ; J3.6@32,15.465 J3.6@32,16.4
  Top Layer w0.254: C16.1@13.591,14.402 R37.1@13.591,12.984 29.951,12.984 32,15.033 J3.6@32,15.465
  SIG1 w0.152: v5(-5.766,40.234) -3.607,40.234 13.614,23.012 v5(13.614,13.841)
AMP_21_DN0: C14.1 J3.5 R20.1 R25.2 | length 66.1
  Top Layer w0.254: v5(-6.071,40.919) R25.2@-6.071,41.389 ; C14.1@13.591,9.787 v5(13.591,10.287) R20.1@13.591,11.201 29.801,11.201 J3.5@35,16.4
  SIG1 w0.152: v5(-6.071,40.919) -3.67,40.919 14.199,23.051 14.199,10.894 v5(13.591,10.287)
AMP_29_DP1: J3.8 R11.2 R13.1 | length 42.1
  Top Layer w0.152: R11.2@-4.724,41.389 -3.747,40.411 -3.06,40.411 R13.1@-2.21,39.561 v2(-2.21,40.259)
  SIG1 w0.152: v2(-2.21,40.259) 20.117,17.932 24.536,17.932 26,16.469 J3.8@26,16.4
AMP_30_DN1: J3.7 R8.2 R14.1 | length 52.7
  Top Layer w0.152: R14.1@26.335,7.633 v5(26.335,8.378)
  Top Layer w0.254: R8.2@-3.454,41.389 v5(-2.757,41.389)
  SIG1 w0.152: v5(-2.757,41.389) -2.501,41.389 20.523,18.364 27.036,18.364 J3.7@29,16.4 29,11.042 v5(26.335,8.378)
BACK: B4.2 U16.K2 | length 23
  Top Layer w0.152: B4.2@-26.213,42.786 -26.213,53.144 -22.791,56.566 -17.272,56.566 -16.739,57.099 -15.748,57.099 U16.K2@-15.348,57.499
BREQ: B3.2 U16.L5 | length 18.5
  Top Layer w0.102: v2(-13.348,56.299) U16.L5@-12.948,56.699
  Top Layer w0.254: v2(-19.24,42.456) B3.2@-18.102,42.456
  Bottom Layer w0.102: -17.983,48.279 -16.148,50.114 -16.148,54.299 -14.548,55.899 -13.748,55.899 v2(-13.348,56.299)
  Bottom Layer w0.127: v2(-19.24,42.456) -17.983,43.713 -17.983,48.279
BUZ: J3.28 Q2.3 U3.2 | length 171.4
  Top Layer w1.27: U3.2@-28.524,140.955 -28.524,135.077 -27.432,133.985 Q2.3@-25.866,133.985
  SIG1 w1.27: U3.2@-28.524,140.955 -1.458,140.955 1.067,138.43 8.23,138.43 38.557,108.102 38.557,34.163 41,31.72 J3.28@41,27.4
CAN_N: J3.31 R67.2 U12.7 | length 19.6
  Top Layer w0.635: U12.7@31.572,46.025 30.632,45.085 30.632,28.768 J3.31@32,27.4
CAN_P: J3.32 R67.1 U12.6 | length 22.2
  Top Layer w0.635: J3.32@29,27.4 29,45.866 U12.6@31.636,48.501
CLE: R77.1 U13.16 | length 56.1
  Top Layer w0.102: v5(-27.762,58.11) R77.1@-26.912,58.11 ; v5(-20.517,107.585) U13.16@-19.513,107.585
  SIG1 w0.102: v5(-27.762,58.11) -29.869,60.217 -29.869,96.156 -21.031,104.994 -21.031,107.137 -20.583,107.585 v5(-20.517,107.585)